# Altium PCB HIL_RIG_REV_1_1.PcbDoc (part 5 of 5) (continued)
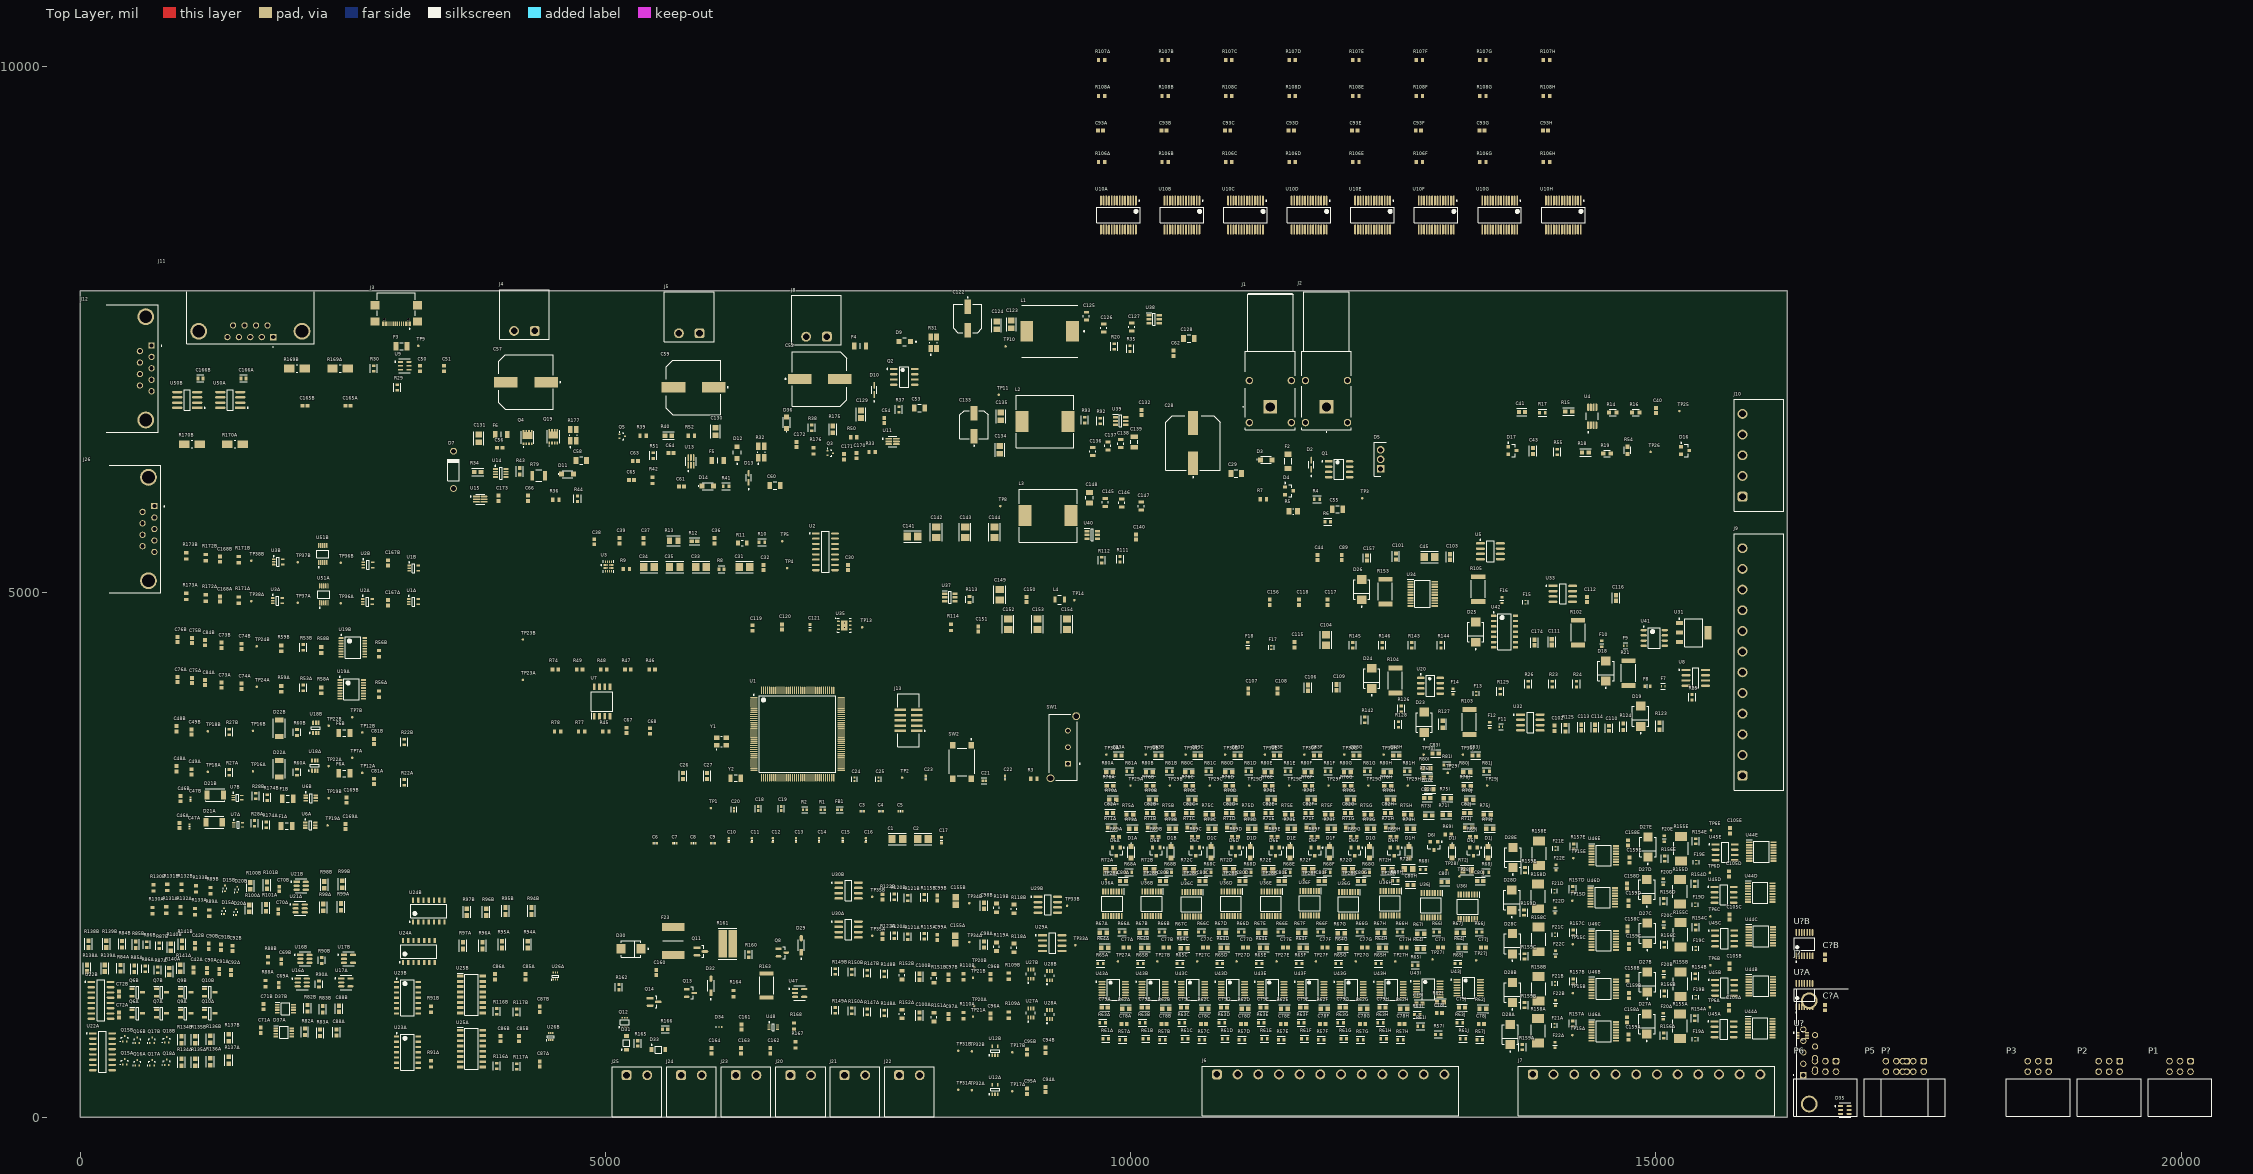
[diagram p0: Top Layer view]
## Nets (pads, with @x,y where several pads share a name; then routed paths per layer and width w, separated by ;. In a path a pad name is that pad's centre, name@x,y a point inside that pad or via, vN(x,y) a via of type N, cw(c..) or ccw(c..) an arc to the next point about the centre after c; other vN are vias at no path point) (continued)
GPA0A: U10A.21
GPA0B: U10B.21
GPA0C: U10C.21
GPA0D: U10D.21
GPA0E: U10E.21
GPA0F: U10F.21
GPA0G: U10G.21
GPA0H: U10H.21
GPA1A: U10A.22
GPA1B: U10B.22
GPA1C: U10C.22
GPA1D: U10D.22
GPA1E: U10E.22
GPA1F: U10F.22
GPA1G: U10G.22
GPA1H: U10H.22
GPA2A: U10A.23
GPA2B: U10B.23
GPA2C: U10C.23
GPA2D: U10D.23
GPA2E: U10E.23
GPA2F: U10F.23
GPA2G: U10G.23
GPA2H: U10H.23
GPA3A: U10A.24
GPA3B: U10B.24
GPA3C: U10C.24
GPA3D: U10D.24
GPA3E: U10E.24
GPA3F: U10F.24
GPA3G: U10G.24
GPA3H: U10H.24
GPA4A: U10A.25
GPA4B: U10B.25
GPA4C: U10C.25
GPA4D: U10D.25
GPA4E: U10E.25
GPA4F: U10F.25
GPA4G: U10G.25
GPA4H: U10H.25
GPA5A: U10A.26
GPA5B: U10B.26
GPA5C: U10C.26
GPA5D: U10D.26
GPA5E: U10E.26
GPA5F: U10F.26
GPA5G: U10G.26
GPA5H: U10H.26
GPA6A: U10A.27
GPA6B: U10B.27
GPA6C: U10C.27
GPA6D: U10D.27
GPA6E: U10E.27
GPA6F: U10F.27
GPA6G: U10G.27
GPA6H: U10H.27
GPA7A: U10A.28
GPA7B: U10B.28
GPA7C: U10C.28
GPA7D: U10D.28
GPA7E: U10E.28
GPA7F: U10F.28
GPA7G: U10G.28
GPA7H: U10H.28
GPB0A: U10A.1
GPB0B: U10B.1
GPB0C: U10C.1
GPB0D: U10D.1
GPB0E: U10E.1
GPB0F: U10F.1
GPB0G: U10G.1
GPB0H: U10H.1
GPB1A: U10A.2
GPB1B: U10B.2
GPB1C: U10C.2
GPB1D: U10D.2
GPB1E: U10E.2
GPB1F: U10F.2
GPB1G: U10G.2
GPB1H: U10H.2
GPB2A: U10A.3
GPB2B: U10B.3
GPB2C: U10C.3
GPB2D: U10D.3
GPB2E: U10E.3
GPB2F: U10F.3
GPB2G: U10G.3
GPB2H: U10H.3
GPB3A: U10A.4
GPB3B: U10B.4
GPB3C: U10C.4
GPB3D: U10D.4
GPB3E: U10E.4
GPB3F: U10F.4
GPB3G: U10G.4
GPB3H: U10H.4
GPB4A: U10A.5
GPB4B: U10B.5
GPB4C: U10C.5
GPB4D: U10D.5
GPB4E: U10E.5
GPB4F: U10F.5
GPB4G: U10G.5
GPB4H: U10H.5
GPB5A: U10A.6
GPB5B: U10B.6
GPB5C: U10C.6
GPB5D: U10D.6
GPB5E: U10E.6
GPB5F: U10F.6
GPB5G: U10G.6
GPB5H: U10H.6
GPB6A: U10A.7
GPB6B: U10B.7
GPB6C: U10C.7
GPB6D: U10D.7
GPB6E: U10E.7
GPB6F: U10F.7
GPB6G: U10G.7
GPB6H: U10H.7
GPB7A: U10A.8
GPB7B: U10B.8
GPB7C: U10C.8
GPB7D: U10D.8
GPB7E: U10E.8
GPB7F: U10F.8
GPB7G: U10G.8
GPB7H: U10H.8
HSE_OSC_IN: C18.1 U1.23 Y1.1
HSE_OSC_NEG: C19.1 R2.1 Y1.3
HSE_OSC_OUT: R2.2 U1.24
I2C_DUT_SCLA: R99A.2 R99B.2
I2C_DUT_SDAA: R101A.2 R101B.2
I2C_DUT_VCCA: Q6A.2 Q7A.2 Q9A.2 Q10A.2 R90A.2 R130A.2 R131A.2 R132A.2 R133A.2 U16A.5 U16A.6 U21A.5 U21A.6
I2C_DUT_VCCB: Q6B.2 Q7B.2 Q9B.2 Q10B.2 R90B.2 R130B.2 R131B.2 R132B.2 R133B.2 U16B.5 U16B.6 U21B.5 U21B.6
I2C_IOex_en3V3A: R88A.2 R88B.2 U16A.3 U16B.3 U17A.2 U17B.2
I2C_IOex_pulldown_A0A: U22A.1 U22B.1
I2C_IOex_pulldown_A1A: U22A.2 U22B.2
I2C_IOex_pulldown_ENA: U22A.6 U22B.6
ILIM: R12.2 U3.10
Level_shifter_DIR: R168.2 U48.5
Level_shifter_OUT: D34.2 U48.4
MCU_SCL_INT: U10A.12 U10B.12 U10C.12 U10D.12 U10E.12 U10F.12 U10G.12 U10H.12
MCU_SCLA: R98A.1 R98B.1
MCU_SDA_INT: U10A.13 U10B.13 U10C.13 U10D.13 U10E.13 U10F.13 U10G.13 U10H.13
MCU_SDAA: R100A.1 R100B.1
MCU_UART_RXA: R22A.1 R174A.1 TP7A.1
MCU_UART_RXB: R22B.1 R174B.1 TP7B.1
MCU_UART_TXA: R27A.1 TP16A.1
MCU_UART_TXB: R27B.1 TP16B.1
MUX_Out_1A: R156A.2 U44A.13 U45A.3
MUX_Out_1B: R156B.2 U44B.13 U45B.3
MUX_Out_1C: R156C.2 U44C.13 U45C.3
MUX_Out_1D: R156D.2 U44D.13 U45D.3
MUX_Out_1E: R156E.2 U44E.13 U45E.3
MUX_Out_2A: R159A.2 U45A.5 U46A.13
MUX_Out_2B: R159B.2 U45B.5 U46B.13
MUX_Out_2C: R159C.2 U45C.5 U46C.13
MUX_Out_2D: R159D.2 U45D.5 U46D.13
MUX_Out_2E: R159E.2 U45E.5 U46E.13
N_DI_3V3_compA: R57A.2 R62A.1 TP27A.1 U36A.15 U43A.1
N_DI_3V3_compB: R57B.2 R62B.1 TP27B.1 U36B.15 U43B.1
N_DI_3V3_compC: R57C.2 R62C.1 TP27C.1 U36C.15 U43C.1
N_DI_3V3_compD: R57D.2 R62D.1 TP27D.1 U36D.15 U43D.1
N_DI_3V3_compE: R57E.2 R62E.1 TP27E.1 U36E.15 U43E.1
N_DI_3V3_compF: R57F.2 R62F.1 TP27F.1 U36F.15 U43F.1
N_DI_3V3_compG: R57G.2 R62G.1 TP27G.1 U36G.15 U43G.1
N_DI_3V3_compH: R57H.2 R62H.1 TP27H.1 U36H.15 U43H.1
N_DI_3V3_compI: R57I.2 R62I.1 TP27I.1 U36I.15 U43I.1
N_DI_3V3_compJ: R57J.2 R62J.1 TP27J.1 U36J.15 U43J.1
N_DI_5V_compA: R66A.2 R67A.1 TP28A.1 U36A.14 U43A.2
N_DI_5V_compB: R66B.2 R67B.1 TP28B.1 U36B.14 U43B.2
N_DI_5V_compC: R66C.2 R67C.1 TP28C.1 U36C.14 U43C.2
N_DI_5V_compD: R66D.2 R67D.1 TP28D.1 U36D.14 U43D.2
N_DI_5V_compE: R66E.2 R67E.1 TP28E.1 U36E.14 U43E.2
N_DI_5V_compF: R66F.2 R67F.1 TP28F.1 U36F.14 U43F.2
N_DI_5V_compG: R66G.2 R67G.1 TP28G.1 U36G.14 U43G.2
N_DI_5V_compH: R66H.2 R67H.1 TP28H.1 U36H.14 U43H.2
N_DI_5V_compI: R66I.2 R67I.1 TP28I.1 U36I.14 U43I.2
N_DI_5V_compJ: R66J.2 R67J.1 TP28J.1 U36J.14 U43J.2
N_DI_12V_compA: R73A.2 R75A.1 TP29A.1 U36A.13 U43A.14
N_DI_12V_compB: R73B.2 R75B.1 TP29B.1 U36B.13 U43B.14
N_DI_12V_compC: R73C.2 R75C.1 TP29C.1 U36C.13 U43C.14
N_DI_12V_compD: R73D.2 R75D.1 TP29D.1 U36D.13 U43D.14
N_DI_12V_compE: R73E.2 R75E.1 TP29E.1 U36E.13 U43E.14
N_DI_12V_compF: R73F.2 R75F.1 TP29F.1 U36F.13 U43F.14
N_DI_12V_compG: R73G.2 R75G.1 TP29G.1 U36G.13 U43G.14
N_DI_12V_compH: R73H.2 R75H.1 TP29H.1 U36H.13 U43H.14
N_DI_12V_compI: R73I.2 R75I.1 TP29I.1 U36I.13 U43I.14
N_DI_12V_compJ: R73J.2 R75J.1 TP29J.1 U36J.13 U43J.14
N_DI_24V_compA: R80A.1 R81A.2 TP30A.1 U36A.12 U43A.13
N_DI_24V_compB: R80B.1 R81B.2 TP30B.1 U36B.12 U43B.13
N_DI_24V_compC: R80C.1 R81C.2 TP30C.1 U36C.12 U43C.13
N_DI_24V_compD: R80D.1 R81D.2 TP30D.1 U36D.12 U43D.13
N_DI_24V_compE: R80E.1 R81E.2 TP30E.1 U36E.12 U43E.13
N_DI_24V_compF: R80F.1 R81F.2 TP30F.1 U36F.12 U43F.13
N_DI_24V_compG: R80G.1 R81G.2 TP30G.1 U36G.12 U43G.13
N_DI_24V_compH: R80H.1 R81H.2 TP30H.1 U36H.12 U43H.13
N_DI_24V_compI: R80I.1 R81I.2 TP30I.1 U36I.12 U43I.13
N_DI_24V_compJ: R80J.1 R81J.2 TP30J.1 U36J.12 U43J.13
NetC1_2: C1.2 C2.2 C3.1 C4.1 C5.1 C6.1 C7.1 C8.1 C9.1 C10.1 C11.1 C12.1 C13.1 C14.1 C15.1 C16.1 C17.1
NetC42A_2: C42A.2 Q6A.3 R138A.2 R139A.2
NetC42B_2: C42B.2 Q6B.3 R138B.2 R139B.2
NetC88A_1: C88A.1 D37A.7 D37A.8 R90A.1
NetC88B_1: C88B.1 D37B.7 D37B.8 R90B.1
NetC90A_2: C90A.2 Q7A.3 R84A.2 R85A.2
NetC90B_2: C90B.2 Q7B.3 R84B.2 R85B.2
NetC91A_2: C91A.2 Q9A.3 R86A.2 R87A.2
NetC91B_2: C91B.2 Q9B.3 R86B.2 R87B.2
NetC92A_2: C92A.2 Q10A.3 R140A.2 R141A.2
NetC92B_2: C92B.2 Q10B.3 R140B.2 R141B.2
NetC101_2: C101.2 U5.4
NetC114_1: C114.1 R124.1 U31.1
NetC161_1: C161.1 U48.1
NetC166A_1: C166A.1 R169A.2 R170A.2 U?A.8
NetC166B_1: C166B.1 R169B.2 R170B.2 U?B.8
NetD4_1: D4.1 R5.1 R7.2
NetD5_3: D5.3 R5.2
NetD7_2: D7.2 R79.1 U14.7
NetD21A_1: D21A.1 F1A.1 R28A.2
NetD21B_1: D21B.1 F1B.1 R28B.2
NetD22A_1: D22A.1 F6A.1 R60A.2
NetD22B_1: D22B.1 F6B.1 R60B.2
NetD37A_3: D37A.3 R82A.1 R98A.2
NetD37A_4: D37A.4 R83A.1 R100A.2
NetD37B_3: D37B.3 R82B.1 R98B.2
NetD37B_4: D37B.4 R83B.1 R100B.2
NetQ3_3: Q3.3 R50.2
NetQ5_3: Q5.3 R52.2
NetQ6A_1: Q6A.1 Q15A.3 R130A.1
NetQ6B_1: Q6B.1 Q15B.3 R130B.1
NetQ7A_1: Q7A.1 Q16A.3 R131A.1
NetQ7B_1: Q7B.1 Q16B.3 R131B.1
NetQ9A_1: Q9A.1 Q17A.3 R132A.1
NetQ9B_1: Q9B.1 Q17B.3 R132B.1
NetQ10A_1: Q10A.1 Q18A.3 R133A.1
NetQ10B_1: Q10B.1 Q18B.3 R133B.1
NetQ15A_1: Q15A.1 R134A.1
NetQ15B_1: Q15B.1 R134B.1
NetQ16A_1: Q16A.1 R135A.1
NetQ16B_1: Q16B.1 R135B.1
NetQ17A_1: Q17A.1 R136A.1
NetQ17B_1: Q17B.1 R136B.1
NetQ18A_1: Q18A.1 R137A.1
NetQ18B_1: Q18B.1 R137B.1
NetR56A_2: R56A.2 U19A.12
NetR56B_2: R56B.2 U19B.12
NetR89A_2: R89A.2 U17A.4 U21A.3
NetR89B_2: R89B.2 U17B.4 U21B.3
NetR106A_1: R106A.1 U10A.18
NetR106B_1: R106B.1 U10B.18
NetR106C_1: R106C.1 U10C.18
NetR106D_1: R106D.1 U10D.18
NetR106E_1: R106E.1 U10E.18
NetR106F_1: R106F.1 U10F.18
NetR106G_1: R106G.1 U10G.18
NetR106H_1: R106H.1 U10H.18
NetR107A_2: R107A.2 U10A.20
NetR107B_2: R107B.2 U10B.20
NetR107C_2: R107C.2 U10C.20
NetR107D_2: R107D.2 U10D.20
NetR107E_2: R107E.2 U10E.20
NetR107F_2: R107F.2 U10F.20
NetR107G_2: R107G.2 U10G.20
NetR107H_2: R107H.2 U10H.20
NetR108A_2: R108A.2 U10A.19
NetR108B_2: R108B.2 U10B.19
NetR108C_2: R108C.2 U10C.19
NetR108D_2: R108D.2 U10D.19
NetR108E_2: R108E.2 U10E.19
NetR108F_2: R108F.2 U10F.19
NetR108G_2: R108G.2 U10G.19
NetR108H_2: R108H.2 U10H.19
NetR124_2: R124.2 R125.1
NetR125_2: R125.2 R127.2
NetR134A_2: R134A.2 U22A.15
NetR134B_2: R134B.2 U22B.15
NetR135A_2: R135A.2 U22A.14
NetR135B_2: R135B.2 U22B.14
NetR136A_2: R136A.2 U22A.13
NetR136B_2: R136B.2 U22B.13
NetR137A_2: R137A.2 U22A.12
NetR137B_2: R137B.2 U22B.12
NetR169A_1: R169A.1 U?A.6
NetR169B_1: R169B.1 U?B.6
NetR170A_1: R170A.1 U?A.11
NetR170B_1: R170B.1 U?B.11
NetU48_6: U48.6 U?.4
NetU50A_5: U50A.5 U?A.9
NetU50B_5: U50B.5 U?B.9
NMOS_drain: D30.1 D31.1 F23.1 Q12.1 Q12.2 Q12.5 Q12.6 R161.1
NMOS_gate: Q12.3 R163.2
NRST: C23.2 SW2.A SW2.A' TP2.1 U1.25
OPA_clamped_1A: D27A.1 F20A.1 R155A.2 TP6A.1
OPA_clamped_1B: D27B.1 F20B.1 R155B.2 TP6B.1
OPA_clamped_1C: D27C.1 F20C.1 R155C.2 TP6C.1
OPA_clamped_1D: D27D.1 F20D.1 R155D.2 TP6D.1
OPA_clamped_1E: D27E.1 F20E.1 R155E.2 TP6E.1
OPA_clamped_2A: D28A.1 F22A.1 R158A.2 TP15A.1
OPA_clamped_2B: D28B.1 F22B.1 R158B.2 TP15B.1
OPA_clamped_2C: D28C.1 F22C.1 R158C.2 TP15C.1
OPA_clamped_2D: D28D.1 F22D.1 R158D.2 TP15D.1
OPA_clamped_2E: D28E.1 F22E.1 R158E.2 TP15E.1
OPA_fuse_1A: F19A.1 F20A.2 F21A.1 F22A.2
OPA_fuse_1B: F19B.1 F20B.2 F21B.1 F22B.2
OPA_fuse_1C: F19C.1 F20C.2 F21C.1 F22C.2
OPA_fuse_1D: F19D.1 F20D.2 F21D.1 F22D.2
OPA_fuse_1E: F19E.1 F20E.2 F21E.1 F22E.2
OPA_Out_1A: R155A.1 U45A.1 U45A.2
OPA_Out_1B: R155B.1 U45B.1 U45B.2
OPA_Out_1C: R155C.1 U45C.1 U45C.2
OPA_Out_1D: R155D.1 U45D.1 U45D.2
OPA_Out_1E: R155E.1 U45E.1 U45E.2
OPA_Out_2A: R158A.1 U45A.6 U45A.7
OPA_Out_2B: R158B.1 U45B.6 U45B.7
OPA_Out_2C: R158C.1 U45C.6 U45C.7
OPA_Out_2D: R158D.1 U45D.6 U45D.7
OPA_Out_2E: R158E.1 U45E.6 U45E.7
OSC32_IN: C26.1 U1.8 Y2.2
OSC32_OUT: C27.1 U1.9 Y2.1
POWER_CONTROL.POWER_CTL_A: U2.1
POWER_CONTROL.POWER_CTL_B: U2.2
POWER_CONTROL.POWER_OUT_EN: U2.6
PR1: R8.1 R10.2 U3.6
PWM_CAPTURE_IN_CH1_HV: J20.1
PWM_CAPTURE_IN_CH1_LV: J24.1
PWM_CAPTURE_IN_CH2_HV: J21.1
PWM_CAPTURE_IN_CH2_LV: J23.1
PWM_CAPTURED_EDGEA: TP34A.1 U29A.6 U30A.6
PWM_CAPTURED_EDGEB: TP34B.1 U29B.6 U30B.6
PWM_GEN_OUT_CH1_HV: J22.1
PWM_GEN_OUT_CH1_LV: J25.1
PWM_HV_SHDNA: TP17A.1 U12A.4 U30A.8
PWM_HV_SHDNB: TP17B.1 U12B.4 U30B.8
PWM_IN_12V_EN: R164.2
PWM_IN_24V_EN: R167.2
PWM_IN_HV_N: U47.4
PWM_IN_HVA: R151A.1
PWM_IN_HVB: R151B.1
PWM_IN_LV: U48.3
PWM_IN_LV_SEL: U?.6
PWM_IN_LVA: R118A.1
PWM_IN_LVB: R118B.1
PWM_LV_SHDNA: R109A.1 TP20A.1 U12A.2 U29A.8
PWM_LV_SHDNB: R109B.1 TP20B.1 U12B.2 U29B.8
PWM_MODE_1A: R110A.1 TP21A.1 U27A.6 U28A.6
PWM_MODE_1B: R110B.1 TP21B.1 U27B.6 U28B.6
PWM_OUT_HV: F23.2
QSPI_IO0: R47.1
QSPI_IO0_FLASH: R47.2 U7.5
QSPI_IO1: R48.1
QSPI_IO1_FLASH: R48.2 U7.2
QSPI_IO2: R49.1
QSPI_IO2_FLASH: R49.2 R77.1 U7.3
QSPI_IO3: R74.1
QSPI_IO3_FLASH: R74.2 R78.1 U7.7
QSPI_NCS: R45.1 U7.1
QSPI_SCK: R46.1
QSPI_SCK_FLASH: R46.2 U7.6
RoutA: R53A.2 U19A.9
RoutB: R53B.2 U19B.9
RS232_ENABLEA: U3A.4 U19A.16
RS232_ENABLEA_n: U2A.4 U3A.1 U3A.2
RS232_ENABLEB: U3B.4 U19B.16
RS232_ENABLEB_n: U2B.4 U3B.1 U3B.2
RS232_nENABLEA: U19A.1
RS232_nENABLEB: U19B.1
RS232_RX_IN_DUTA: R59A.2
RS232_RX_IN_DUTB: R59B.2
RS232_RX_INA: R59A.1
RS232_RX_INB: R59B.1
RS232_TX_OUT_DUTA: R58A.2
RS232_TX_OUT_DUTB: R58B.2
RS232_TX_OUTA: R58A.1 TP23A.1 TP24A.1 U19A.8 U19A.13
RS232_TX_OUTB: R58B.1 TP23B.1 TP24B.1 U19B.8 U19B.13
SCL_1kA: D15A.2 D37A.6 R84A.1 R86A.1 R99A.1 R138A.1 R140A.1
SCL_1kB: D15B.2 D37B.6 R84B.1 R86B.1 R99B.1 R138B.1 R140B.1
SDA_1kA: D20A.2 D37A.5 R85A.1 R87A.1 R101A.1 R139A.1 R141A.1
SDA_1kB: D20B.2 D37B.5 R85B.1 R87B.1 R101B.1 R139B.1 R141B.1
SPI_DUT_CH1.SPI_MISO_DUT: P5.1
SPI_DUT_CH1.SPI_MOSI_DUT: P5.3
SPI_DUT_CH1.SPI_NCS_DUT: P5.5
SPI_DUT_CH1.SPI_SCLK_DUT: P5.4
SPI_DUT_CH2.SPI_MISO_DUT: P6.1
SPI_DUT_CH2.SPI_MOSI_DUT: P6.3
SPI_DUT_CH2.SPI_NCS_DUT: P6.5
SPI_DUT_CH2.SPI_SCLK_DUT: P6.4
SPI_EN_MASTER_NSLAVEA: U25A.1
SPI_EN_MASTER_NSLAVEB: U25B.1
SPI_ENA: R91A.2 U25A.6
SPI_ENB: R91B.2 U25B.6
SPI_MASTER_N_ENABLEA: R116A.1 U23A.1 U23A.4 U23A.10 U23A.13 U25A.15
SPI_MASTER_N_ENABLEB: R116B.1 U23B.1 U23B.4 U23B.10 U23B.13 U25B.15
SPI_MISO_OUT_UNPROTECTEDA: R94A.1 U23A.2 U24A.3
SPI_MISO_OUT_UNPROTECTEDB: R94B.1 U23B.2 U24B.3
SPI_MISO_OUTA: R94A.2 U26A.6
SPI_MISO_OUTB: R94B.2 U26B.6
SPI_MISOA: U23A.3 U24A.2
SPI_MISOB: U23B.3 U24B.2
SPI_MOSI_OUT_UNPROTECTEDA: R95A.1 U23A.6 U24A.5
SPI_MOSI_OUT_UNPROTECTEDB: R95B.1 U23B.6 U24B.5
SPI_MOSI_OUTA: R95A.2 U26A.4
SPI_MOSI_OUTB: R95B.2 U26B.4
SPI_MOSIA: U23A.5 U24A.6
SPI_MOSIB: U23B.5 U24B.6
SPI_NCS_OUT_UNPROTECTEDA: R97A.1 U23A.11 U24A.12
SPI_NCS_OUT_UNPROTECTEDB: R97B.1 U23B.11 U24B.12
SPI_NCS_OUTA: R97A.2 U26A.1
SPI_NCS_OUTB: R97B.2 U26B.1
SPI_NCSA: U23A.12 U24A.11
SPI_NCSB: U23B.12 U24B.11
SPI_SCLK_OUT_UNPROTECTEDA: R96A.1 U23A.8 U24A.9
SPI_SCLK_OUT_UNPROTECTEDB: R96B.1 U23B.8 U24B.9
SPI_SCLK_OUTA: R96A.2 U26A.3
SPI_SCLK_OUTB: R96B.2 U26B.3
SPI_SCLKA: U23A.9 U24A.8
SPI_SCLKB: U23B.9 U24B.8
SPI_SLAVE_N_ENABLEA: R117A.1 U24A.1 U24A.4 U24A.10 U24A.13 U25A.14
SPI_SLAVE_N_ENABLEB: R117B.1 U24B.1 U24B.4 U24B.10 U24B.13 U25B.14
SS: C36.2 U3.11
ST: R9.1 TP5.1 U3.9
TTL_ENABLEA: R172A.1 TP37A.1 U1A.1 U1A.2 U51A.1
TTL_ENABLEB: R172B.1 TP37B.1 U1B.1 U1B.2 U51B.1
TTL_VCCBA: C47A.1 C49A.2 C168A.1 R171A.1 TP36A.1 U6A.6 U18A.6 U51A.8
TTL_VCCBB: C47B.1 C49B.2 C168B.1 R171B.1 TP36B.1 U6B.6 U18B.6 U51B.8
UART_DUT_SIGNALS_CH1.RS232_RX_IN: J12.2
UART_DUT_SIGNALS_CH1.RS232_TX_OUT: J12.3
UART_DUT_SIGNALS_CH1.TTL_RX_IN: P3.1
UART_DUT_SIGNALS_CH1.TTL_TX_OUT: P3.3
UART_DUT_SIGNALS_CH2.RS232_RX_IN: J?.2
UART_DUT_SIGNALS_CH2.RS232_TX_OUT: J?.3
UART_DUT_SIGNALS_CH2.TTL_RX_IN: P?.1
UART_DUT_SIGNALS_CH2.TTL_TX_OUT: P?.3
UART_MODE0A_n: U1A.4 U2A.2
UART_MODE0B_n: U1B.4 U2B.2
UART_MODE1A: R173A.1 TP38A.1 U2A.1 U51A.10
UART_MODE1B: R173B.1 TP38B.1 U2B.1 U51B.10
UART_RX_COMMONA: R22A.2 R53A.1 TP12A.1 U18A.3
UART_RX_COMMONB: R22B.2 R53B.1 TP12B.1 U18B.3
UART_RX_ProtA: F6A.2 U7A.5
UART_RX_ProtB: F6B.2 U7B.5
UART_RX_TransA: R60A.1 TP22A.1 U18A.4
UART_RX_TransB: R60B.1 TP22B.1 U18B.4
UART_TTL_TX_OUTA: F1A.2 U7A.3
UART_TTL_TX_OUTB: F1B.2 U7B.3
UART_TX_COMMONA: R27A.2 TP18A.1 U6A.3 U19A.11
UART_TX_COMMONB: R27B.2 TP18B.1 U6B.3 U19B.11
UART_TX_TransA: R28A.1 TP19A.1 U6A.4
UART_TX_TransB: R28B.1 TP19B.1 U6B.4
USB_D_N: U9.3
USB_D_P: U9.4
V_MinusA: C84A.1 U19A.7
V_MinusB: C84B.1 U19B.7
V_PlusA: C75A.1 U19A.3
V_PlusB: C75B.1 U19B.3
V_REF_HV_24VA: R122A.2 R150A.1 U28A.1
V_REF_HV_24VB: R122B.2 R150B.1 U28B.1
V_TERMINAL: F2.1 J1.1
VBUS: C38.2 C39.2 C50.2 C51.2 F3.2 TP9.1 U3.2 U9.5
  other v1: 5014.25,5231.22
VBUS_RAW: F3.1 J3.A4-B9 J3.B4-A9
VCAP_1: C25.1 U1.71
VCAP_2: C24.1 U1.106
VDD_REGULATED: C1.1 C2.1 C3.2 C4.2 C5.2 C6.2 C7.2 C8.2 C9.2 C10.2 C11.2 C12.2 C13.2 C14.2 C15.2 C16.2 C17.2 C20.2 C40.2 C65.2 C66.2 C121.2 C171.2 D16.2 D17.2 FB1.2 R1.2 R16.2 R54.2 SW1.1 TP13.1 U1.6 U1.17 U1.30 U1.39 U1.52 U1.62 U1.72 U1.84 U1.95 U1.108 U1.121 U1.131 U1.143 U1.144 U4.8 U11.3 U13.3 U15.3 U35.4
VIN: C28.2 C29.1 C125.1 C126.1 C127.1 C128.1 C136.1 C137.1 C138.1 C139.1 C145.1 C146.1 C147.1 C148.1 D3.1 D4.3 D5.2 Q1.5 Q1.6 R11.2 TP3.1 U38.2 U38.3 U39.2 U39.3 U40.2 U40.3
VIN_ADC: C37.2 R11.1 R13.2
VIN_Polarity_Gate: C55.2 D2.2 Q1.2 Q1.4 R4.1 R6.2
VIN_Polarity_Source: C55.1 D2.1 Q1.1 Q1.3 R4.2
VIN_RAW: F2.2 Q1.7 Q1.8
Voltage_select: D29.1 D32.1 R161.2
VREF/VDDA: C21.2 C22.2 FB1.1 R1.1 U1.32 U1.33
VREF_HV_12VA: R115A.2 R149A.1 U28A.3
VREF_HV_12VB: R115B.2 R149B.1 U28B.3
VREF_HVA: C100A.1 TP32A.1 U28A.4 U30A.2
VREF_HVB: C100B.1 TP32B.1 U28B.4 U30B.2
VREF_LV_3V3A: R120A.2 R147A.1 U27A.3
VREF_LV_3V3B: R120B.2 R147B.1 U27B.3
VREF_LV_5VA: R121A.2 R148A.1 U27A.1
VREF_LV_5VB: R121B.2 R148B.1 U27B.1
VREF_LVA: C98A.1 TP31A.1 U27A.4 U29A.2
VREF_LVB: C98B.1 TP31B.1 U27B.4 U29B.2
VSENSE_HVA: R151A.2 R152A.1 TP35A.1 U30A.3
VSENSE_HVB: R151B.2 R152B.1 TP35B.1 U30B.3
VSENSE_LVA: R118A.2 R119A.1 TP33A.1 U29A.3
VSENSE_LVB: R118B.2 R119B.1 TP33B.1 U29B.3
pads on no net: D4.2 D35.1 D35.2 D35.3 D35.4 D35.5 D35.6 J1.2 J1.3 J1.4 J1.5 J2.2 J2.3 J2.4 J2.5 J3.5 J3.6 J3.A8 J3.B8 J11.1 J11.4 J11.5 J11.6 J11.8 J11.9 J11.SH1 J11.SH2 J12.1 J12.4 J12.6 J12.7 J12.8 J12.9 J12.SH1 J12.SH2 J13.1 J13.2 J13.3 J13.4 J13.5 J13.6 J13.7 J13.8 J13.9 J13.10 J26.1 J26.4 J26.5 J26.6 J26.8 J26.9 J26.SH1 J26.SH2 J?.1 J?.4 J?.6 J?.7 J?.8 J?.9 J?.SH1 J?.SH2 P1.1 P1.2 P1.3 P1.4 P1.5 P1.6 P2.1 P2.2 P2.3 P2.4 P2.5 P2.6 P3.6 P?.6 U1.1 U1.2 U1.3 U1.4 U1.5 U1.7 U1.10 U1.11 U1.12 U1.13 U1.14 U1.15 U1.18 U1.19 U1.20 U1.21 U1.22 U1.26 U1.27 U1.28 U1.29 U1.34 U1.35 U1.36 U1.37 U1.40 U1.41 U1.42 U1.43 U1.44 U1.45 U1.46 U1.47 U1.48 U1.49 U1.50 U1.53 U1.54 U1.55 U1.56 U1.57 U1.58 U1.59 U1.60 U1.63 U1.64 U1.65 U1.66 U1.67 U1.68 U1.69 U1.70 U1.73 U1.74 U1.75 U1.76 U1.77 U1.78 U1.79 U1.80 U1.81 U1.82 U1.85 U1.86 U1.87 U1.88 U1.89 U1.90 U1.91 U1.92 U1.93 U1.96 U1.97 U1.98 U1.99 U1.100 U1.101 U1.102 U1.103 U1.104 U1.105 U1.109 U1.110 U1.111 U1.112 U1.113 U1.114 U1.115 U1.116 U1.117 U1.118 U1.119 U1.122 U1.123 U1.124 U1.125 U1.126 U1.127 U1.128 U1.129 U1.132 U1.133 U1.134 U1.135 U1.136 U1.137 U1.139 U1.140 U1.141 U1.142 U2.7 U2.9 U2.10 U2.11 U2.12 U7A.2 U7B.2 U10A.11 U10A.14 U10B.11 U10B.14 U10C.11 U10C.14 U10D.11 U10D.14 U10E.11 U10E.14 U10F.11 U10F.14 U10G.11 U10G.14 U10H.11 U10H.14 U12A.1 U12B.1 U14.6 U16A.4 U16B.4 U17A.1 U17B.1 U19A.10 U19B.10 U20.1 U20.3 U20.5 U20.7 U20.8 U21A.4 U21B.4 U22A.7 U22A.9 U22A.10 U22A.11 U22B.7 U22B.9 U22B.10 U22B.11 U25A.7 U25A.9 U25A.10 U25A.11 U25A.12 U25A.13 U25B.7 U25B.9 U25B.10 U25B.11 U25B.12 U25B.13 U26A.5 U26B.5 U29A.1 U29A.5 U29B.1 U29B.5 U30A.1 U30A.5 U30B.1 U30B.5 U34.8 U34.10 U34.11 U34.12 U34.17 U35.3 U35.5 U35.7 U36A.5 U36B.5 U36C.5 U36D.5 U36E.5 U36F.5 U36G.5 U36H.5 U36I.5 U36J.5 U41.4 U42.11 U?A.1 U?A.2 U?A.3 U?B.1 U?B.2 U?B.3
copper on no net:
  other v2: 7275,4663.35 7275,4706.65

## Polygon pours and split planes (outlines as drawn)
no net on Int1 (GND) (split plane): 16229.9,20.1 20.1,20.1 20.1,7849.9 16229.9,7849.9
no net on Int4 (GND) (split plane): 16229.9,20.1 20.1,20.1 20.1,7849.9 16229.9,7849.9

## Text inside footprints (layer, text, board x,y; h text height)
J11: Top 3D Body "PCB Edge" at 990.55,7850.63 h32 r180
J12: Top 3D Body "PCB Edge" at 258.46,6501.5 h32 r270
J26: Top 3D Body "PCB Edge" at 284.37,4971.5 h32 r270
J?: Top 3D Body "PCB Edge" at 16826.54,1249.92 h32 r90